# Altium PCB USB_Wireless_2.4G.PcbDoc
Units mil, origin at the board's own origin, x right, y up, seen from the top; angles counter-clockwise.
Board outline 650 x 1000 mil, 2 copper layers (Top Layer, Bottom Layer); 26 components, 25 nets, 102 pads, 45 vias.
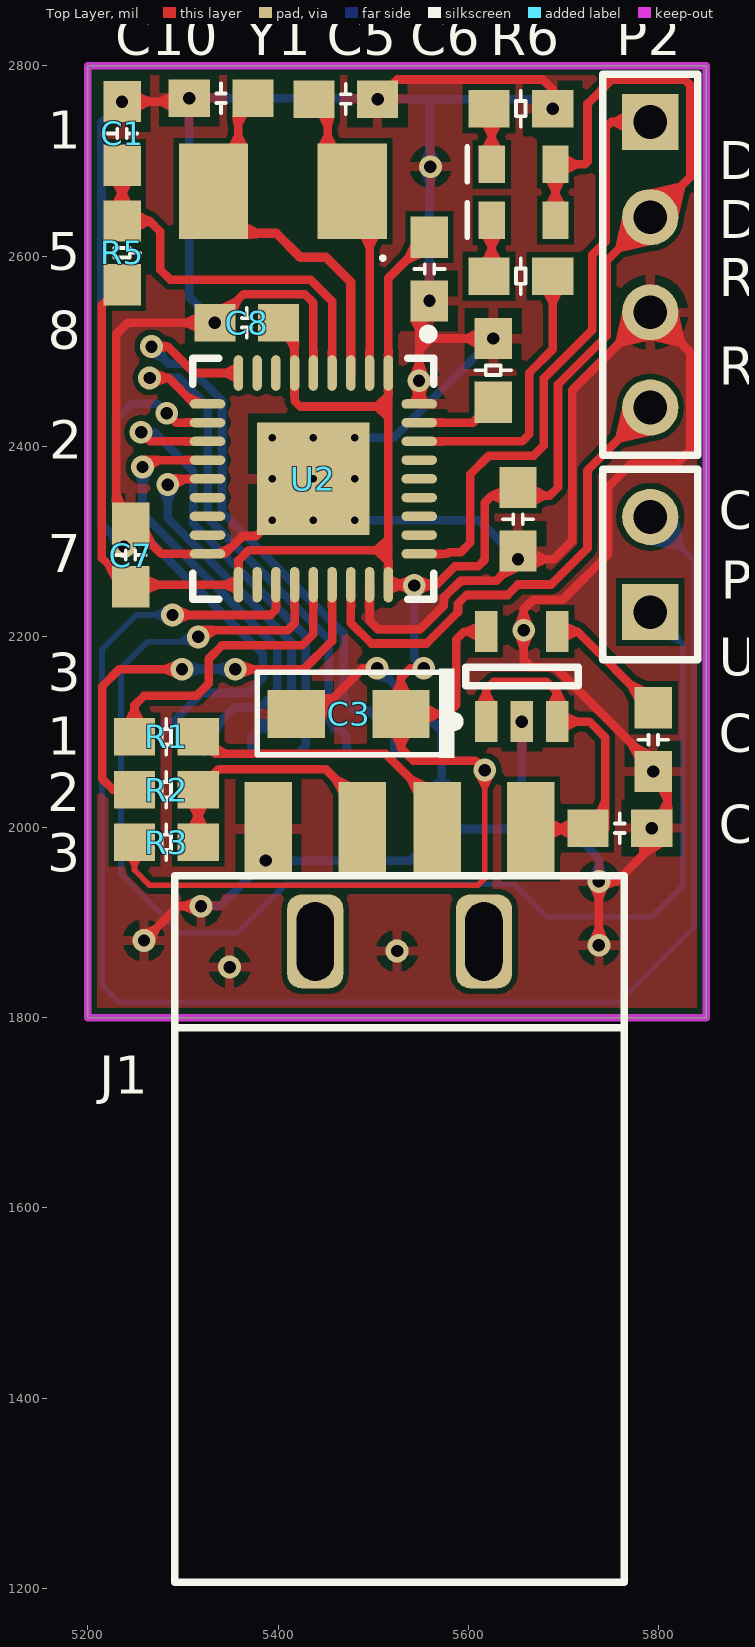
[diagram p0: Top Layer view]
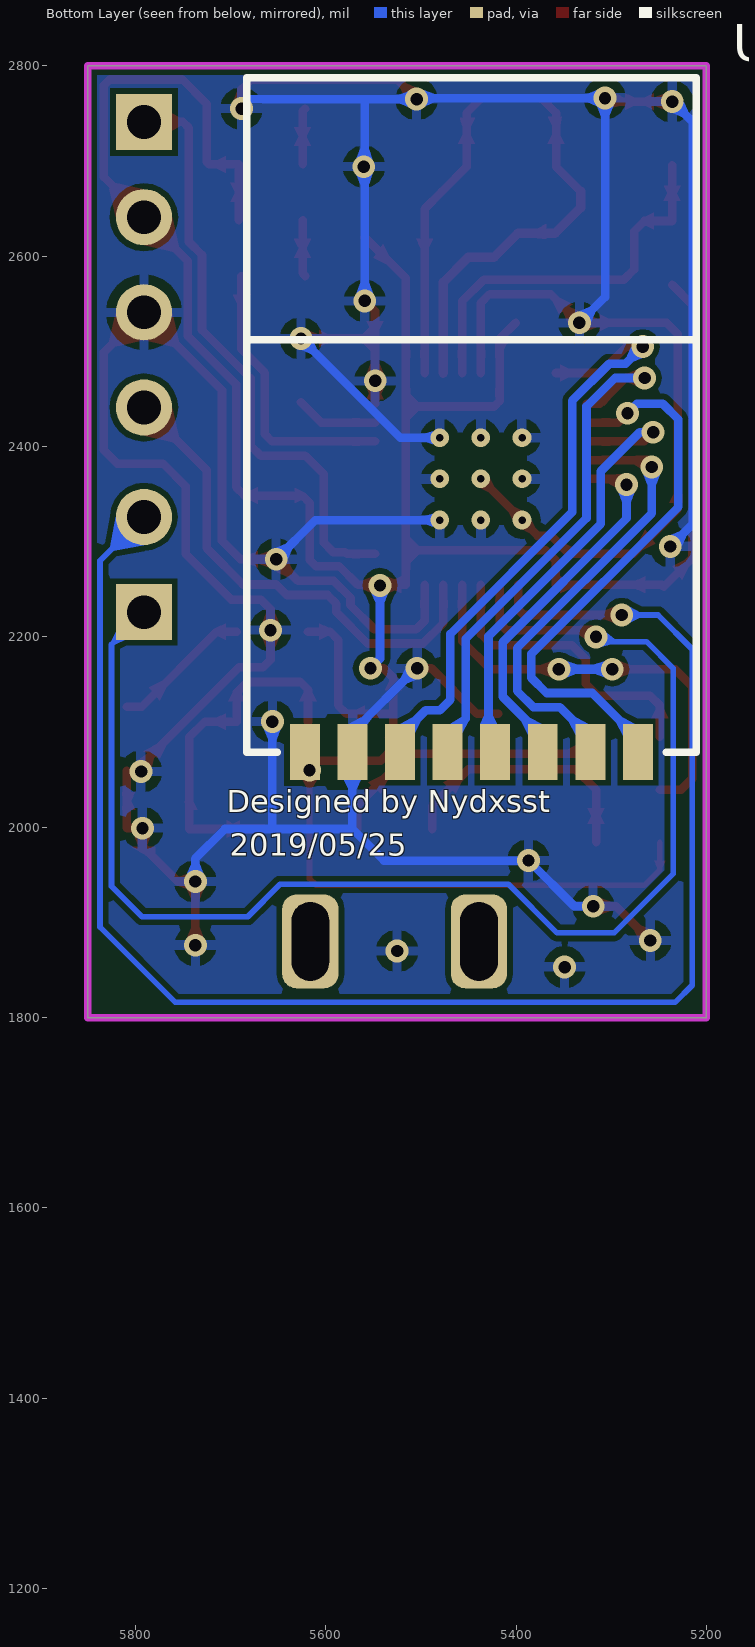
[diagram p1: Bottom Layer view, seen from below]
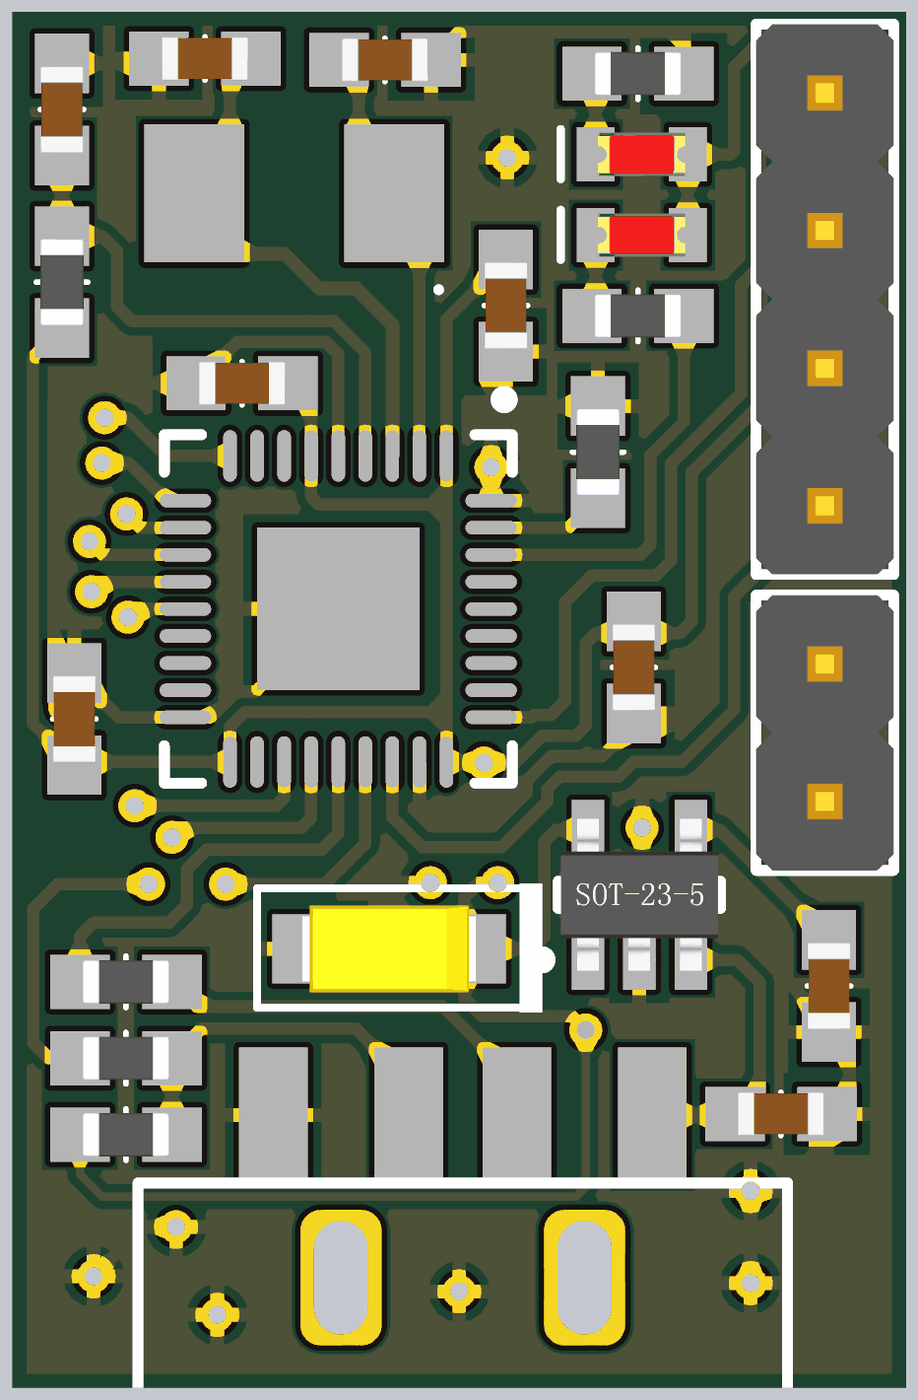
[diagram p2: 3D render of the assembled board from above, using the file's embedded part models]

## Layer stack, top to bottom
Top Solder: solder mask 0.4, Solder Resist, Dk 3.5
Top Layer: signal copper 1.4
Dielectric 1: dielectric 12.6, FR-4, Dk 4.8
Bottom Layer: signal copper 1.4
Bottom Solder: solder mask 0.4, Solder Resist, Dk 3.5

## Board outline
5200,1800 5850,1800 5850,2800 5200,2800

## Design rules (kind name [scope] priority, off if disabled: settings)
Clearance [All] p1: gap=6 ignorepadtopadclearanceinfootprint=FALSE
PolygonConnect [All] p1: connectstyle=Relief reliefconductorwidth=10 reliefentries=4 polygonreliefangle="90 Angle" airgapwidth=10
RoutingVias [All] p1: holewidth=28 width=50 viastyle="Through Hole" minholewidth=28 minwidth=50 maxholewidth=28 maxwidth=50
SolderMaskExpansion [All] p1: expansion=4
Width [All] p1: maxlimit=50 minlimit=6 preferedwidth=6 minimp=50.000000 maximp=50.000000 favimp=50.000000
30 further rules are at their usual default settings.

## Components (designator, comment, footprint, x,y, rotation, side; value= is the part's Value field where it differs from the comment)
C1 "104" Cap-0603 5236,2728.93 r270 top
C2 "104" Cap-0603 5759,1999 r180 top
C3 "1uf" CAP-tan-3216 5474,2119 r180 top
C4 "10nf" Cap-0603 5794,2092 r90 top
C5 "22P" Cap-0603 5471,2765 r180 top
C6 "104" Cap-0603 5559,2586.46 r90 top
C7 "104" Cap-0603 5245,2286 r270 top
C8 "104" Cap-0603 5367,2530 r0 top
C9 "104" Cap-0603 5652,2323.54 r90 top
C10 "22P" Cap-0603 5340,2766 r0 top
D1 "RED" LED-0603 5657.83,2696.34 r180 top
D2 "ORANGE" LED-0603 5657.83,2637.67 r180 top
J1 "USB" USB贴片鱼叉型公头 5527.58,1998.11 r0 top
P1 "Header 2" HDR1X2 5791,2276 r90 top
P2 "Header 4" HDR1X4 5791,2591 r270 top
R1 "10R" Res-0603 5282.54,2095 r0 top
R2 "10R" Res-0603 5282.54,2039.5 r0 top
R3 "1.5K" Res-0603 5282.54,1984 r0 top
R4 "10K" Res-0603 5626,2480 r90 top
R5 "10K" Res-0603 5236,2603.46 r270 top
R6 "4.7K" Res-0603 5655,2755 r180 top
R7 "4.7K" Res-0603 5655,2579 r180 top
U1 "NRF24L01" NRF24L01 5447,2079 r90 bottom
U2 "STM32F103T8U6" STM-VFQFPN36_L 5437,2366 r270 top
U3 "SPX3819" SOT23-5 5656,2158.24 r90 top
Y1 "8M" XTAL_8M_5032 5405,2668 r180 top

## Footprints (in the part's own frame and the unit in brackets; to place one, negate y for a bottom-side part, rotate by r counter-clockwise, add the part's x,y. Pads: shape width x height; smd on the part's side, far side on the other; paste and mask are expansions set on the pad)
Cap-0603 [mm]
  rect 1.1x1 smd: 1(-0.85,0) 2(0.85,0)
  silkscreen extent -0.13,-0.4 0.13,0.4, body extent -0.8,-0.4 0.8,0.4, height 0.6
CAP-tan-3216 [mil] "钽电容"
  rect 60x50 smd: 1(-55,0) 2(55,0)
  silkscreen extent -111,-48 96,46, body extent -63,-32 63,31, height 63
HDR1X2 [mm] "Connector; Header; 2 Position"
  rect 1.5x1.5 hole 0.9: 1(-1.27,0)
  round 1.5 hole 0.9: 2(1.27,0)
  silkscreen extent -2.54,-1.27 2.54,1.27, body extent -2.54,-1.27 2.54,1.27, height 10.1
HDR1X4 [mm] "Connector; Header; 4 Position"
  rect 1.5x1.5 hole 0.9: 1(-3.81,0)
  round 1.5 hole 0.9: 2(-1.27,0) 3(1.27,0) 4(3.81,0)
  silkscreen extent -5.08,-1.27 5.08,1.27, body extent -5.08,-1.27 5.08,1.27, height 10.1
LED-0603 [mm] "贴片LED"
  rect 0.7x1 smd: 1(-0.85,0) 2(0.85,0)
  silkscreen extent 1.5,-0.47 1.5,0.46, body extent -0.81,-0.4 0.81,0.4, height 0.6
NRF24L01 [mm]
  rect 1.5x0.8 smd: 1(0,4.445) 2(0,3.175) 3(0,1.905) 4(0,0.635) 5(0,-0.635) 6(0,-1.905) 7(0,-3.175) 8(0,-4.445)
  silkscreen extent 0,-6 18,6, body extent 0,-6 18.03,6, height 0.8
Res-0603 [mm]
  rect 1.1x1 smd: 1(-0.85,0) 2(0.85,0)
  silkscreen extent -0.13,-0.48 0.13,0.48, body extent -0.8,-0.4 0.8,0.4, height 0.38
SOT23-5 [mm]
  rect 1.1x0.6 smd: 1(-1.2,0.95) 2(-1.2,0) 3(-1.2,-0.95) 4(1.2,-0.95) 5(1.2,0.95)
  silkscreen extent -1.32,-1.5 0.25,1.92, body extent -1.4,-1.45 1.4,1.45, height 1.2
STM-VFQFPN36_L [mm] "QFN, 36-Leads, Body 6.13x6.13mm, Pitch 0.5mm, Thermal Pad 3x3mm, IPC High Density"
  oval 0.95x0.25 smd: 1(-2.825,2) 2(-2.825,1.5) 3(-2.825,1) 4(-2.825,0.5) 5(-2.825,0) 6(-2.825,-0.5) 7(-2.825,-1) 8(-2.825,-1.5) 9(-2.825,-2) 19(2.825,-2) 20(2.825,-1.5) 21(2.825,-1) 22(2.825,-0.5) 23(2.825,0) 24(2.825,0.5) 25(2.825,1) 26(2.825,1.5) 27(2.825,2)
  oval 0.25x0.95 smd: 10(-2,-2.825) 11(-1.5,-2.825) 12(-1,-2.825) 13(-0.5,-2.825) 14(0,-2.825) 15(0.5,-2.825) 16(1,-2.825) 17(1.5,-2.825) 18(2,-2.825) 28(2,2.825) 29(1.5,2.825) 30(1,2.825) 31(0.5,2.825) 32(0,2.825) 33(-0.5,2.825) 34(-1,2.825) 35(-1.5,2.825) 36(-2,2.825)
  rect 3x3 smd: 37(0,0)
  silkscreen extent -3.99,-3.21 3.21,3.21, body extent -3.07,-3.07 3.07,3.07, height 1
USB贴片鱼叉型公头 [mm]
  rrect50% 1.5x2.5 hole 1 slot 2.1 at 90 deg: 0(-2.25,-3) 0(2.25,-3)
  rect 1.27x2.5 smd: 1(3.5,0) 2(1,0) 3(-1,0) 4(-3.5,0)
  silkscreen extent -6,-20.1 6,-1.25, body extent -6,-20.1 6,-1.25, height 2.65
XTAL_8M_5032 [mm] "晶振贴片8M"
  rect 1.85x2.55 smd: 1(-1.85,0) 2(1.85,0)
  silkscreen extent -2.72,1.73 -2.62,1.83, body extent -2.58,-1.68 2.57,1.68, height 1.2

## Part data
C1 C2 C4 C5 C6 C7 C8 C9 C10: library part Cap
C3: library part Cap+
D1 D2: library part LED
P1: "Header, 2-Pin", LatestRevisionDate=17-Jul-2002, LatestRevisionNote="Re-released for DXP Platform.", Publisher="Altium Limited"
P2: "Header, 4-Pin", LatestRevisionDate=17-Jul-2002, LatestRevisionNote="Re-released for DXP Platform.", Publisher="Altium Limited"
R1 R2 R3 R4 R5 R6 R7: library part Res
U2: "ARM Cortex-M3 32-bit MCU, 64 KB Flash, 20 KB Internal RAM, 26 I/Os, 36-pin VFQFPN, -40 to 85 degC, Tray", I/Os (High Current)=26, Operating Frequency(F) (Processor speed) (MHz)=72, Supplier Part Number 1=497-11532-ND, Supply Voltage(Vcc) min (V)=2, A/D Converter="2x12-bit (10 Channel)", ComponentLink1Description="Manufacturer URL", ComponentLink1URL=http://www.st.com/web/en/home.html, ComponentLink2Description=Datasheet, ComponentLink2URL=http://www.st.com/st-web-ui/static/active/en/resource/technical/document/datasheet/CD00161566.pdf, ComponentLink3Description="Package Specification", ComponentLink3URL=http://www.st.com/st-web-ui/static/active/en/resource/technical/document/datasheet/CD00161561.pdf, Core="ARM Cortex-M3", DatasheetVersion="Rev. 16", FLASH Size (Prog) (kB)=64, Internal RAM Size (kB)=20, Mounting Technology="Surface Mount", PackageDescription="36-Pin Quad Flat No-Lead, 6 x 6 x 1.0 mm Body, 0.5 mm Pitch, Exposed Pad", PackageReference=VFQFPN36, PackageVersion="Rev. 16, 08/2013", Packing=Tray, PartNumber=STM32F103T8U6, Supplier 1=Digi-Key, Supplier 2=Farnell, Supplier 3=Newark, Supplier 4=Mouser, Supplier Part Number 2=1606329, Supplier Part Number 3=11N8298, Supplier Part Number 4=511-STM32F103T8U6
Y1: library part XTAL

## Via types
v1: diameter 24, hole 13, Top Layer to Bottom Layer, 36 vias
v2: diameter 19.68, hole 7.87, Top Layer to Bottom Layer, 9 vias

## Nets (pads, with @x,y where several pads share a name; then routed paths per layer and width w, separated by ;. In a path a pad name is that pad's centre, name@x,y a point inside that pad or via, vN(x,y) a via of type N, cw(c..) or ccw(c..) an arc to the next point about the centre after c; other vN are vias at no path point)
3.3V: C3.1 C6.2 C7.2 C8.2 C9.2 D1.1 D2.1 P2.2 R3.1 R5.2 U1.1 U2.1 U2.6 U2.19 U2.27 U3.5 | length 3212
  Top Layer w6: R3.1 5249.07,1954.93 5265,1939 5610,1939 5617,1946 v1(5617,2060) v1@5610,2067 ; C3.1 C3.1@5531,2119
  Top Layer w9: R5.2 5214.81,2548.81 5214.81,2282.72 C7.2 5247.24,2254.78 U2.19 5358.26,2280.26 5369,2291 5515.74,2291 ; C8.2 5417.31,2513.15 U2.6 5417.31,2447.68 5423,2442 5515.74,2442 ; C3.1@5531,2119 5578,2119 5587,2128 5587,2197 5595.49,2205.49 U3.5 ; v1(5553,2167) 5539,2167 5529,2157 C3.1 5529,2083 5542,2070 5607,2070 v1(5617,2060) ; C6.2 5515.74,2576.67 U2.1 5515.74,2442 ; D2.1 D1.1 5722.33,2696.33 5725,2699 5725,2760 5750.56,2785.56 5827,2785.56 5833,2779.56 5833,2683 P2.2 5745,2595 5745,2516.21 5694,2465.21 5694,2357 5685.46,2348.46 5624.46,2348.46 5617,2341 5617,2281 5610,2274 5585.57,2274 5566.35,2254.78 U2.27 5515.74,2291 ; 5515.74,2291 5515.74,2442
  Bottom Layer w9: v1(5543,2254) 5543,2177 v1(5553,2167)
5V: C2.2 J1.1 U3.1 U3.3 | length 378.5
  Top Layer w9: U3.1 5618.6,2144.6 5626.6,2152.6 5682.4,2152.6 5693.4,2141.6 U3.3 5727,2111 5743.54,2094.46 5743.54,1998 5743.43,1998.11 J1.1
GND: C1.1 C2.1 C3.2 C4.1 C5.1 C6.1 C7.1 C8.1 C9.1 C10.1 J1.4 P2.3 R4.2 R6.1 U1.2 U2.5 U2.18 U2.26 U2.36 U2.37 U3.2 | length 5409.6
  Top Layer w9: v1(5236,2762.39) 5302.93,2762.39 v1(5306.54,2766) ; v1(5259,1881) 5295,1917 v1(5319,1917) ; C3.2 5441,2119 5489,2167 v1(5504,2167) ; v2(5437,2366) v2(5393.69,2322.69) 5377,2306 5362.79,2306 5344.05,2287.26 U2.18 5277.2,2287.26 C7.1 5230,2334.46 5230,2518 5242,2530 v1(5333.54,2530) 5363.72,2560.19 5427.81,2560.19 5437,2551 U2.5 ; U2.26 5496.06,2216.94 5505,2208 5549,2208 5574,2233 5574,2241.21 5591.79,2259 5629.46,2259 v1(5652,2281.54) 5689.54,2281.54 5709,2301 5709,2459 P2.3 5833,2499 5833,2396 5819,2382 5771,2382 5747,2358 5747,2287 5699,2239 5668,2239 5658,2229 v1(5658,2207) 5658,2176 5666,2168 5691.21,2168 5794,2065.21 v1(5794,2058.54) ; v1(5504.46,2765) 5525.03,2785.56 5678,2785.56 5688.46,2775.1 v1(5688.46,2755) ; U2.36 5548.22,2513.46 ; v1(5559,2553) 5548.22,2542.22 5548.22,2513.46 ; v1(5626,2513.46) 5548.22,2513.46 ; v1(5737,1876) v1(5737,1943) 5755.46,1943 5792.46,1980 v1(5792.46,1999) 5808.54,1999 5809,1999.46 C4.1@5809,2059.54
  Bottom Layer w9: v1(5236,2762.39) 5214.44,2740.83 5214.44,2318.56 v1(5238,2295) ; v1(5319,1917) 5339,1917 v1(5387,1965) 5538.89,1965 5572,1998.11 ; v1(5333.54,2530) 5306.54,2557 v1(5306.54,2766) 5503.46,2766 v1(5504.46,2765) 5562,2765 ; v2(5480.31,2322.69) 5610.84,2322.69 v1(5652,2281.54) ; v2(5480.31,2409.31) 5521.84,2409.31 v1(5626,2513.46) ; v1(5504,2167) 5505,2167 5572,2100 U1.2 5572,1998.11 ; v1(5559,2553) 5559,2762 5562,2765 ; v1(5656,2111) 5656,2000.11 5658,1998.11 ; v1(5688.46,2755) 5678.46,2765 5562,2765 ; v1(5737,1943) 5737,1967 5705.89,1998.11 5658,1998.11 ; 5572,1998.11 5658,1998.11
  other v1: 5349,1853 5525,1870 5548,2469 5560,2694
  other v2: 5437,2322.69 5393.69,2366 5480.31,2366 5393.69,2409.31 5437,2409.31
NetC4_2: C4.2 U3.4 | length 148.3
  Top Layer w9: U3.4 5714.51,2205.49 5793.54,2126.46 C4.2@5809,2126.46
NetD1_2: D1.2 R6.2 | length 59.8
  Top Layer w9: R6.2 5624.37,2752.17 D1.2
NetD2_2: D2.2 R7.2 | length 59.8
  Top Layer w9: R7.2 5624.37,2581.83 D2.2
NetJ1_2: J1.2 R1.2 | length 305.7
  Top Layer w9: R1.2 5334,2077 5513,2077 5566.95,2023.05 J1.2
NetJ1_3: J1.3 R2.2 R3.2 | length 277.1
  Top Layer w9: R3.2 R2.2 5337.5,2061 5450,2061 5488.21,2022.79 J1.3
NetR4_1: R4.1 U2.35 | length 86.7
  Top Layer w9: U2.35 5604.52,2425.06 R4.1
NRST: C1.2 R5.1 U2.4 | length 412.9
  Top Layer w9: C1.2 R5.1 5265.07,2636.93 5276,2626 5276,2586 5286.81,2575.19 5434.03,2575.19 5456.69,2552.53 U2.4
OSC_IN: C5.2 U2.2 Y1.1 | length 312
  Top Layer w9: C5.2 5452,2750.54 5452,2693.83 Y1.1 5496.06,2649.78 U2.2
OSC_OUT: C10.2 U2.3 Y1.2 | length 404.3
  Top Layer w9: Y1.2 5358,2693.83 5358,2750.54 C10.2
  Top Layer w10: Y1.2 5332.17,2650.83 5359,2624 5398,2624 5423,2599 5450,2599 5476.37,2572.63 U2.3
PA2: U1.3 U2.9 | length 653.3
  Top Layer w9: v1(5267,2505) 5284,2505 5311.78,2477.22 U2.9
  Bottom Layer w9: v1(5267,2505) 5285,2487 5302.21,2487 5341,2448.21 5341,2331.07 5469,2203.07 5469,2134 5480,2123 5495,2123 5522,2096 U1.3
PA3: U1.4 U2.10 | length 569
  Top Layer w9: v1(5265,2472) 5285,2472 5312.26,2444.74 U2.10
  Bottom Layer w9: v1(5265,2472) 5296,2472 5326,2442 5326,2324.85 5453,2197.85 5453,2114 5472,2095 U1.4
PA4: U1.8 U2.11 | length 578.4
  Top Layer w9: v1(5283,2435) 5292.94,2425.06 U2.11
  Bottom Layer w9: U1.8@5277,2098 5320,2141 5368,2141 5384,2157 5384,2182 5229.44,2336.56 5229.44,2428.44 5246,2445 5273,2445 v1(5283,2435)
PA5: U1.5 U2.12 | length 492.5
  Top Layer w9: v1(5256,2415) 5265.63,2405.37 U2.12
  Bottom Layer w9: v1(5256,2415) 5270,2415 5311,2374 5311,2318.64 5429,2200.64 5429,2086 U1.5
PA6: U1.7 U2.13 | length 477.5
  Top Layer w9: v1(5257.5,2378.5) 5264.69,2385.69 U2.13
  Bottom Layer w9: v1(5257.5,2378.5) 5257.5,2329.71 5399,2188.21 5399,2143.21 5381.79,2126 5354,2126 5322,2094 U1.7
PA7: U1.6 U2.14 | length 396.5
  Top Layer w9: v1(5284,2360) 5290,2366 U2.14
  Bottom Layer w9: v1(5284,2360) 5284,2324.43 5414,2194.43 5414,2137 5372,2095 U1.6
PA9: P1.2 U2.21 | length 1691.3
  Top Layer w9: v1(5289,2223) 5392,2223 5397.63,2228.63 U2.21
  Bottom Layer w6: v1(5289,2223) 5251,2223 5215,2187 5215,1834 5233,1816 5758,1816 5837.06,1895.06 5837.06,2279.94 P1.2
PA10: P1.1 U2.22 | length 1424.7
  Top Layer w9: v1(5316,2200) 5323,2207 5410,2207 5417.31,2214.32 U2.22
  Bottom Layer w6: v1(5316,2200) 5311,2195 5263,2195 5235,2167 5235,1951 5297,1889 5357,1889 5408,1940 5648,1940 5682,1906 5793,1906 5825.06,1938.06 5825.06,2191.94 P1.1
PB7: R7.1 U2.34 | length 295.1
  Top Layer w9: U2.34 5656.37,2405.37 5664,2413 5664,2477.64 5688.46,2502.1 R7.1
SWC: P2.1 U2.28 | length 630.5
  Top Layer w9: U2.28 5577.62,2287.26 5579.36,2289 5592,2289 5602,2299 5602,2371 5621.37,2390.37 5668.37,2390.37 5679,2401 5679,2471.43 5730,2522.43 5730,2601.21 5744,2615.21 5744,2735 5750,2741 P2.1
SWD: P2.4 U2.25 | length 519.8
  Top Layer w9: U2.25 5476.37,2214.63 5498,2193 5556,2193 5589,2226 5589,2235 5598,2244 5641,2244 5652,2255 5687,2255 5725,2293 5725,2375 P2.4
U_D+: R2.1 U2.24 | length 456.4
  Top Layer w9: R2.1 5226.5,2039.5 5215,2051 5215,2148 5233,2166 v1(5299,2166) ; v1(5355,2166) 5427,2166 5456.69,2195.69 U2.24
  Bottom Layer w10: v1(5299,2166) v1(5355,2166)
U_D-: R1.1 U2.23 | length 319
  Top Layer w9: R1.1 5249.07,2128.07 5259,2138 5314,2138 5327,2151 5327,2177 5341,2191 5425,2191 5437,2203 U2.23
pads on no net: J1.0 U2.7 U2.8 U2.15 U2.16 U2.17 U2.20 U2.29 U2.30 U2.31 U2.32 U2.33

## Polygon pours and split planes (outlines as drawn)
GND on Top Layer "Layer" (solid, remove dead copper, pour order 2): 5200,2800 5850,2800 5850,1800 5200,1800
GND on Bottom Layer "Layer" (solid, remove dead copper, pour order 4): 5200,2800 5850,2800 5850,1800 5200,1800

## Keep-outs
Keep-Out Layer:
  the board outline again, w7.87

## Silkscreen, mask and mechanical layers (free items; w line width, h text height)
Bottom Overlay:
  text "Designed by Nydxsst" at 5704,2008 h40
  text "2019/05/25" at 5701,1962 h40